# Altium PCB 掌控拓展板Ⅰ V1.1.PcbDoc (part 2 of 2)
Units mm, origin at the board's own origin, x right, y up, seen from the top; angles counter-clockwise.
Board outline 51.8 x 47.39 mm, 2 copper layers (Top Layer, Bottom Layer); 91 components, 63 nets, 281 pads, 117 vias.
Unrouted connection lines stored in the file: 1.
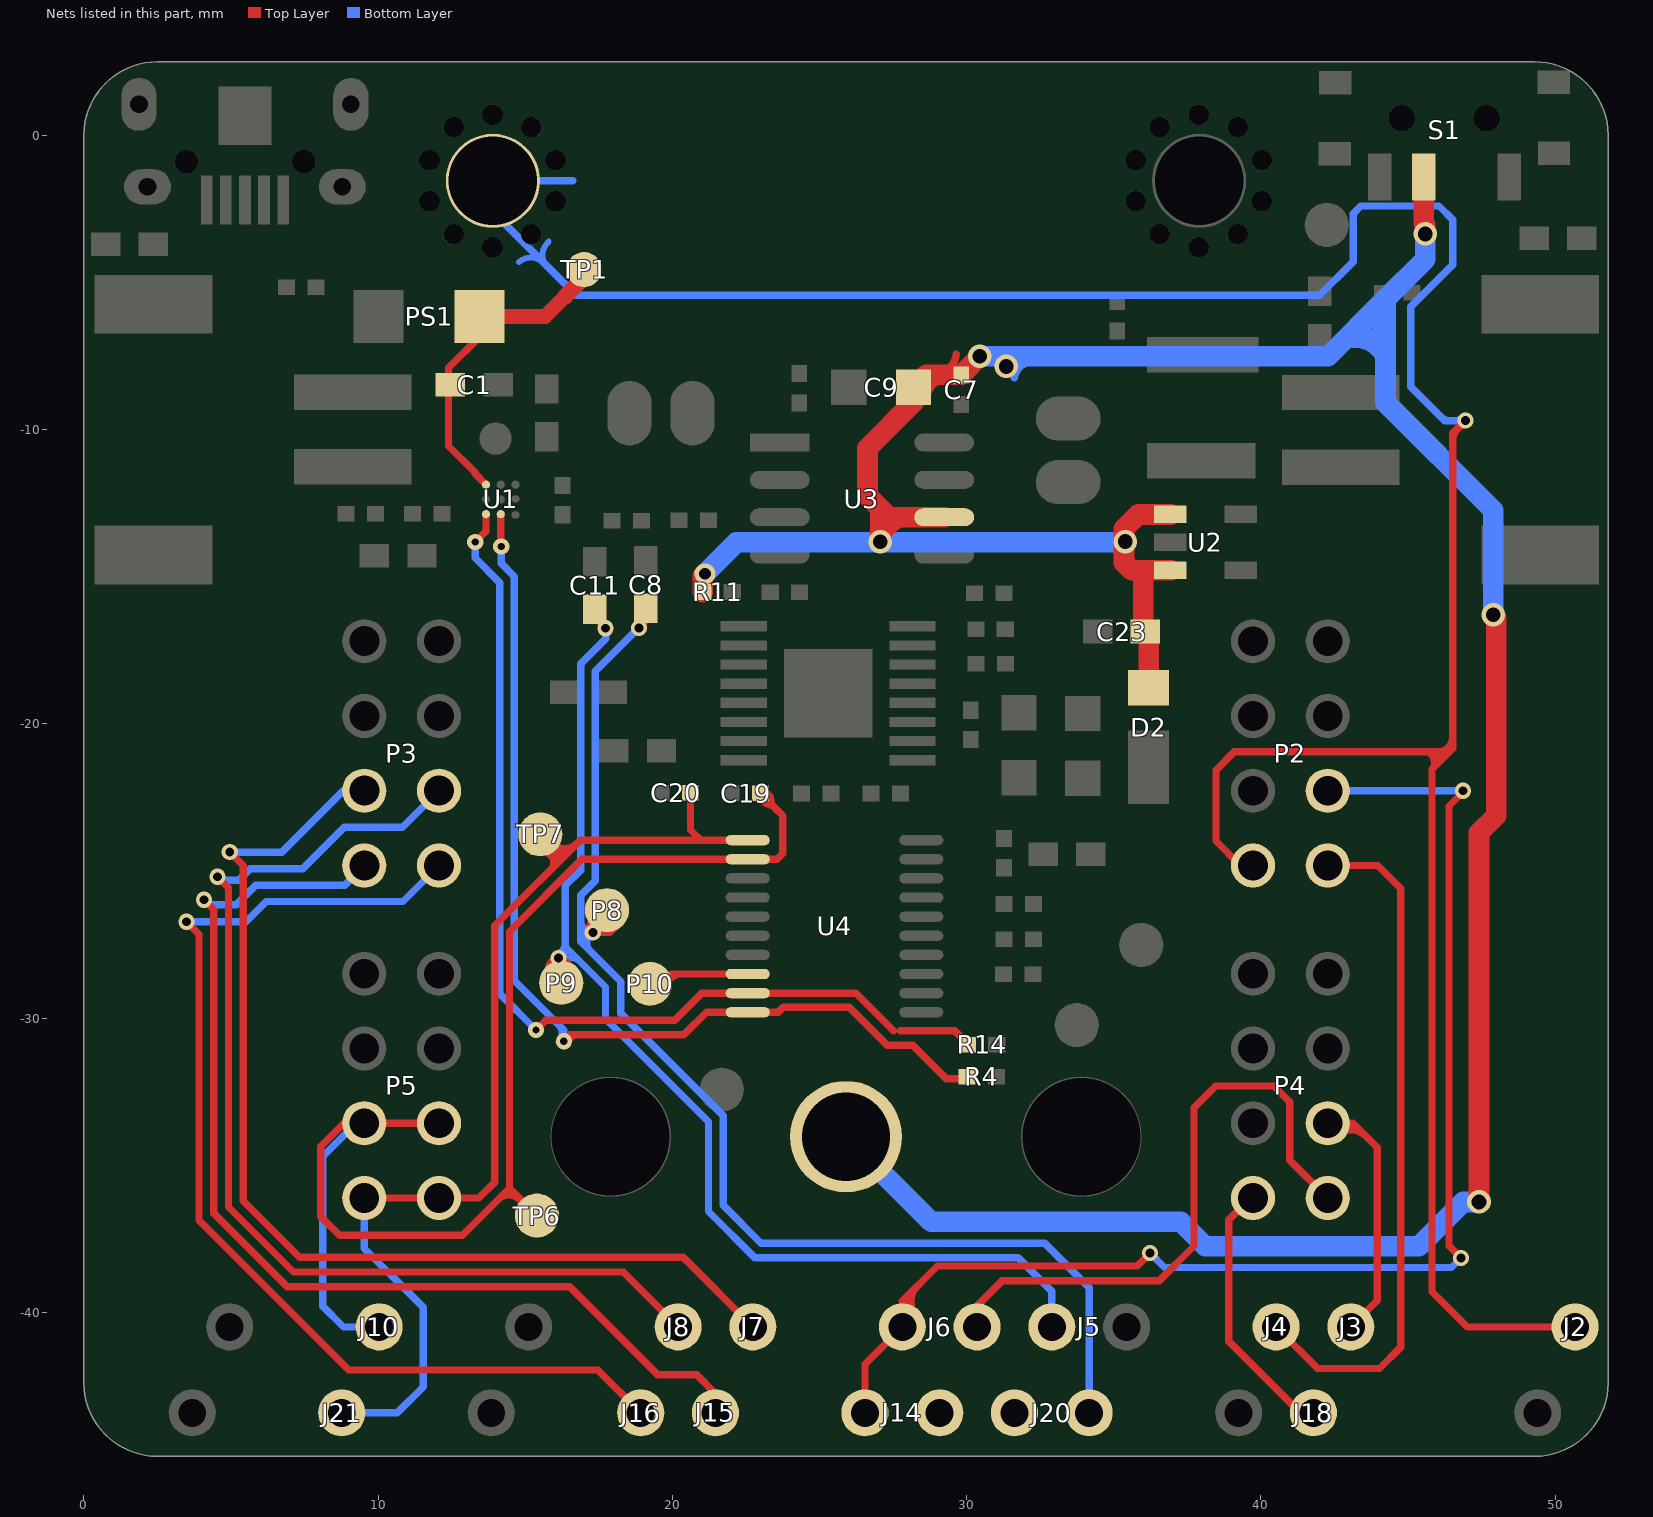
[diagram p2: the nets of this part, all layers, seen from the top]

## Via types
v1: diameter 0.55, hole 0.3, Top Layer to Bottom Layer, 71 vias
v2: diameter 0.55, hole 0.25, Top Layer to Bottom Layer, 16 vias
v3: diameter 0.6, hole 0.3, Top Layer to Bottom Layer, 15 vias
v4: diameter 0.8, hole 0.5, Top Layer to Bottom Layer, 11 vias
v5: diameter 0.7, hole 0.4, Top Layer to Bottom Layer, 3 vias
v6: diameter 0.65, hole 0.35, Top Layer to Bottom Layer, 1 vias

## Nets (pads, with @x,y where several pads share a name; then routed paths per layer and width w, separated by ;. In a path a pad name is that pad's centre, name@x,y a point inside that pad or via, vN(x,y) a via of type N, cw(c..) or ccw(c..) an arc to the next point about the centre after c; other vN are vias at no path point) (continued)
P2: J6.2 J14.2 P2.4 | length 47.1
  Top Layer w0.2: 28.094,-39.347 ccw(c28.442,-39.633) J6.2@28.156,-39.981 ; J6.2@28.347,-40.165 cw(c28.902,-39.628) 28.365,-39.073
  Top Layer w0.25: J14.2@26.544,-43.412 26.544,-41.762 J6.2@27.814,-40.492 27.814,-39.616 29.011,-38.419 35.799,-38.419 v1(36.236,-37.982) ; v1(46.801,-38.144) 46.392,-37.735 46.392,-22.787 46.866,-22.312 v1(46.866,-22.27)
  Bottom Layer w0.25: v1(36.236,-37.982) 36.724,-38.47 46.475,-38.47 v1(46.801,-38.144) ; P2.4@42.27,-22.27 v1(46.866,-22.27)
P3: ?.0@13.9,-1.544 J2.1 P2.1 | length 100.3
  Top Layer w0.2: 45.659,-20.947 cw(c45.442,-21.319) 45.814,-21.536 ; 45.926,-20.993 cw(c45.802,-21.221) 46.029,-21.345 ; 46.022,-20.947 ccw(c45.973,-20.429) 46.491,-20.38 ; 46.532,-10.535 cw(c47.185,-10.442) v1@47.092,-9.789
  Top Layer w0.25: P2.1@39.73,-24.81 39.302,-24.81 38.473,-23.981 38.473,-21.571 39.095,-20.949 46.401,-20.949 ; v1(46.953,-9.693) 46.941,-9.693 46.519,-10.115 46.519,-20.831 46.401,-20.949 ; J2.1@50.674,-40.492 47.013,-40.492 45.814,-39.293 45.814,-21.536 46.401,-20.949
  Bottom Layer w0.2: 14.79,-4.298 cw(c15.193,-4.795) 15.691,-4.393 ; 15.729,-4.457 cw(c16.187,-4.07) 15.8,-3.612 ; 46.1,-9.525 ccw(c46.497,-9.116) v1@46.907,-9.512
  Bottom Layer w0.25: ?.0@13.9,-1.544 16.62,-1.544 ; ?.0@14.35,-3.048 16.737,-5.435 41.991,-5.435 43.135,-4.291 43.135,-2.658 43.395,-2.399 46.05,-2.399 46.519,-2.868 46.519,-4.401 45.096,-5.824 45.096,-8.547 46.242,-9.693 v1(46.953,-9.693)
P4: 
P5: J3.2 P4.4 | length 10.1
  Top Layer w0.2: P4.4@42.593,-34.035 cw(c43.058,-34.409) 43.432,-33.944 ; P4.4@42.678,-33.873 cw(c43.048,-34.13) 43.305,-33.76
  Top Layer w0.25: P4.4@42.27,-33.57 43.128,-33.57 43.953,-34.395 43.953,-39.593 J3.2@43.054,-40.492
P6: J18.2 P4.1 | length 9.2
  Top Layer w0.25: P4.1@39.73,-36.11 39.637,-36.11 38.904,-36.843 38.904,-40.978 41.337,-43.412 J18.2@41.784,-43.412
P7: J4.1 P2.2 | length 23.5
  Top Layer w0.25: J4.1@40.514,-40.492 41.928,-41.905 44.029,-41.905 44.752,-41.182 44.752,-25.592 43.97,-24.81 P2.2@42.27,-24.81
P8: C8.2 J20.1 P8.1 | length 45.2
  Top Layer w0.2: v1@17.212,-27.106 cw(c17.549,-26.924) P8.1@17.366,-26.587 ; v1@17.311,-27.037 cw(c17.764,-27.102) P8.1@17.83,-26.649
  Top Layer w0.25: v1(17.297,-27.086) 17.875,-27.086 P8.1@18.19,-26.771 ; v1(18.861,-16.735) 19.094,-16.502 C8.2@19.094,-16.074
  Bottom Layer w0.2: 16.896,-26.585 ccw(c17.347,-26.635) v1(17.297,-27.086) ccw(c17.523,-27.431) 17.177,-27.657
  Bottom Layer w0.25: 16.923,-27.426 18.251,-28.754 18.251,-29.836 21.729,-33.314 21.729,-36.362 23.01,-37.643 32.651,-37.643 34.165,-39.157 J20.1@34.165,-43.412 ; v1(17.297,-27.086) 17.187,-27.086 16.885,-27.388 16.885,-25.82 17.381,-25.324 17.381,-18.215 v1(18.861,-16.735)
P9: C11.2 J5.2 P9.1 | length 41.9
  Top Layer w0.2: P9.1@15.792,-28.484 cw(c16.15,-28.34) v1@16.006,-27.983 ; P9.1@16.046,-28.499 cw(c16.407,-28.296) v1@16.205,-27.935 ; v1@16.301,-27.978 cw(c16.114,-28.364) P9.1@16.5,-28.551
  Top Layer w0.25: v1(16.135,-27.958) 16.363,-28.186 P9.1@16.363,-28.915 ; C11.2@17.363,-16.105 17.363,-16.383 v1(17.731,-16.751)
  Bottom Layer w0.2: v1@16.025,-27.819 ccw(c15.967,-27.454) 16.332,-27.396 ; v1@16.215,-28.09 cw(c16.536,-28.386) 16.832,-28.065
  Bottom Layer w0.25: v1(16.135,-27.958) 16.163,-27.958 16.455,-27.666 ; v1(17.731,-16.751) 17.731,-17.103 16.881,-17.953 16.881,-24.969 16.358,-25.493 16.358,-27.568 16.455,-27.666 ; J5.2@32.894,-40.492 32.894,-39.282 31.755,-38.143 22.802,-38.143 21.229,-36.569 21.229,-33.521 17.729,-30.021 17.729,-28.94 16.455,-27.666
P10: J20.2
P11: J6.1 P4.2 | length 21.2
  Top Layer w0.25: J6.1@30.354,-40.492 30.354,-39.774 31.209,-38.919 36.548,-38.919 37.725,-37.743 37.725,-33.038 38.46,-32.302 40.439,-32.302 40.985,-32.848 40.985,-34.825 P4.2@42.27,-36.11
P12: J14.1
P13: J7.2 P3.3 | length 36.6
  Top Layer w0.25: v1(4.956,-24.351) 5.416,-24.811 5.416,-36.209 7.331,-38.125 20.367,-38.125 J7.2@22.734,-40.492
  Bottom Layer w0.25: v1(4.956,-24.351) 4.966,-24.361 6.722,-24.361 8.815,-22.269 P3.3@9.531,-22.269
P14: J15.2 P3.1 | length 37.1
  Top Layer w0.25: v1(4.084,-25.972) 4.416,-26.304 4.416,-36.623 6.917,-39.125 16.513,-39.125 19.509,-42.12 20.828,-42.12 21.464,-42.757 J15.2@21.464,-43.412
  Bottom Layer w0.25: v1(4.084,-25.972) 4.255,-26.144 5.175,-26.144 5.841,-25.478 8.862,-25.478 P3.1@9.531,-24.809
P15: J8.1 P3.4 | length 37.2
  Top Layer w0.25: v1(4.547,-25.192) 4.916,-25.561 4.916,-36.416 7.124,-38.625 18.327,-38.625 J8.1@20.194,-40.492
  Bottom Layer w0.25: v1(4.547,-25.192) 4.661,-25.306 5.27,-25.306 5.657,-24.919 7.445,-24.919 8.853,-23.511 10.829,-23.511 P3.4@12.071,-22.269
P16: J16.1 P3.2 | length 37.9
  Top Layer w0.25: v1(3.488,-26.721) 3.916,-27.149 3.916,-36.866 9.005,-41.955 17.468,-41.955 J16.1@18.925,-43.412
  Bottom Layer w0.25: v1(3.488,-26.721) 5.511,-26.721 6.196,-26.036 10.844,-26.036 P3.2@12.071,-24.809 P3.2@12.071,-25.291
SCL: C19.2 J10.1 P5.3 P5.4 TP6.1 U4.12 | length 49.3
  Top Layer w0.175: C19.2@22.99,-22.351 ccw(c23.388,-22.396) 23.343,-22.794 ; C19.2@23.089,-22.25 cw(c22.97,-22.661) 23.381,-22.779
  Top Layer w0.2: 14.182,-36.108 cw(c14.442,-36.501) TP6.1@14.835,-36.241
  Top Layer w0.25: P5.4@11.612,-34.027 P5.4@12.07,-33.57 P5.3@9.53,-33.57 8.842,-33.57 8.054,-34.357 8.054,-36.742 8.689,-37.376 12.866,-37.376 14.466,-35.777 14.466,-27.058 16.925,-24.598 22.019,-24.598 U4.12@23.135,-24.598 ; 14.466,-35.777 TP6.1@15.396,-36.707 ; U4.12@22.56,-24.598 23.556,-24.598 23.752,-24.402 23.752,-23.113 23.535,-22.896 C19.2@22.99,-22.351
  Bottom Layer w0.25: P5.3@9.53,-33.57 9.248,-33.57 8.118,-34.7 8.118,-39.786 8.823,-40.492 J10.1@10.034,-40.492
SCL1: R4.1 U1.C2 U4.20 | length 35.7
  Top Layer w0.2: v2@16.462,-30.855 cw(c16.79,-30.913) 16.847,-30.585
  Top Layer w0.25: v2@14.168,-13.957 U1.C2@14.168,-12.872 ; v2(16.314,-30.781) 16.529,-30.567 20.392,-30.567 21.161,-29.798 22.019,-29.798 U4.20@23.04,-29.798 ; U4.20@22.56,-29.798 23.596,-29.798 23.764,-29.631 26.007,-29.631 27.299,-30.923 27.531,-30.923 28.174,-30.923 29.309,-32.058 R4.1@30.107,-32.058
  Bottom Layer w0.2: 16.083,-30.203 cw(c15.801,-30.537) v2@16.136,-30.82
  Bottom Layer w0.25: v2(14.182,-13.971) 14.182,-14.539 14.632,-14.989 14.632,-28.72 16.314,-30.402 v2(16.314,-30.781)
SDA: C20.2 J21.1 P5.1 P5.2 TP7.1 U4.11 | length 38.4
  Top Layer w0.2: TP7.1@15.743,-24.403 cw(c15.594,-24.727) 15.918,-24.876 ; TP7.1@15.845,-24.27 cw(c15.689,-24.614) 16.032,-24.771 ; TP7.1@15.95,-24.017 ccw(c16.353,-23.698) 16.672,-24.101 ; TP7.1@15.969,-24.143 ccw(c16.312,-23.951) 16.504,-24.295
  Top Layer w0.25: P5.1@9.53,-36.11 P5.2@12.07,-36.11 13.426,-36.11 13.966,-35.57 13.966,-26.851 16.868,-23.948 20.96,-23.948 ; TP7.1@15.513,-23.752 16.282,-24.522 ; C20.2@20.618,-22.338 20.618,-23.606 20.96,-23.948 ; U4.11@22.019,-23.948 20.96,-23.948
  Bottom Layer w0.25: J21.1@8.765,-43.412 10.652,-43.412 11.53,-42.534 11.53,-39.824 9.53,-37.824 P5.1@9.53,-36.11
SDA1: R14.1 U1.C1 U4.19 | length 33.8
  Top Layer w0.25: v2(13.299,-13.816) 13.668,-13.447 U1.C1@13.668,-12.872 ; v2(15.368,-30.402) 15.703,-30.067 20.079,-30.067 20.998,-29.148 22.019,-29.148 U4.19@22.036,-29.131 ; U4.19@22.56,-29.148 26.238,-29.148 27.513,-30.423 ; 27.738,-30.423 29.595,-30.423 R14.1@30.107,-30.935
  Bottom Layer w0.25: v2(13.299,-13.816) 13.299,-14.363 14.132,-15.197 14.132,-29.167 v2(15.368,-30.402)
SWIM: P10.1 U4.18 | length 4.3
  Top Layer w0.2: P10.1@19.747,-29.112 cw(c20.349,-29.114) 20.351,-28.512
  Top Layer w0.25: P10.1@19.04,-29.41 19.952,-28.498 U4.18@22.019,-28.498
VBUS: C1.1 PS1.2 TP1.1 U1.A1 | length 10.8
  Top Layer w0.25: PS1.2@13.449,-6.152 13.449,-6.843 12.392,-7.9 12.392,-10.553 13.297,-11.458 13.297,-11.5 U1.A1@13.668,-11.872
  Top Layer w0.5: PS1.2@13.449,-6.152 15.678,-6.152 16.364,-5.466
  Top Layer w0.55: 16.364,-5.466 TP1.1@16.988,-4.841
VCC: C7.1 C9.1 C23.1 D2.A pad.M3 R11.1 S1.3 U2.1 U2.3 U3.6 | length 119.4
  Top Layer w0.25: v4@27.288,-13.916 cw(c28.003,-13.89) 27.977,-13.175 ; C9.1@28.651,-8.998 cw(c29.304,-8.951) 29.257,-8.298 ; 29.003,-8.039 ccw(c29.019,-7.417) 29.641,-7.432
  Top Layer w0.7: R11.1@21.035,-15.517 21.035,-14.97 v5(21.11,-14.895) ; v4(27.065,-13.812) 27.065,-12.682 ; C9.1@27.982,-8.309 C9.1@28.045,-8.309 ; U3.6@29.237,-12.975 27.358,-12.975 27.065,-12.682 ; v4(30.444,-7.51) 29.822,-8.132 28.621,-8.132 C9.1@28.196,-8.557 28.196,-9.064 26.63,-10.63 26.63,-12.247 27.065,-12.682 ; 36.002,-14.936 36.002,-16.86 36.183,-17.041 D2.A@36.183,-18.771 ; U2.3@36.945,-14.783 35.613,-14.783 35.347,-14.517 35.347,-13.367 35.83,-12.883 U2.1@36.945,-12.883 ; S1.3@45.532,-1.419 45.532,-2.989 v4@45.581,-3.038 ; v4(47.411,-36.244) 47.411,-23.698 47.993,-23.116 47.993,-16.384 v4(47.894,-16.285)
  Bottom Layer w0.2: 42.691,-7.259 cw(c43.185,-8.069) 43.995,-7.575 ; 43.048,-7.07 cw(c43.395,-7.683) 44.009,-7.336 ; 43.069,-6.909 cw(c43.427,-7.463) 43.981,-7.105 ; 43.35,-6.67 cw(c43.543,-7.144) 44.016,-6.951 ; 43.631,-6.439 cw(c43.645,-6.825) 44.031,-6.811
  Bottom Layer w0.25: 31.62,-8.246 cw(c32.276,-8.342) 32.372,-7.687
  Bottom Layer w0.7: v5(21.11,-14.895) 22.179,-13.826 v4@35.33,-13.826 ; pad.M3@25.9,-34.027 28.79,-36.918 37.277,-36.918 38.104,-37.745 45.37,-37.745 46.871,-36.244 v4(47.411,-36.244) ; v4(30.444,-7.51) 42.285,-7.51 44.234,-5.562 ; v4(45.581,-3.35) 45.581,-4.214 44.234,-5.562 ; v4(47.894,-16.285) 47.894,-12.736 44.234,-9.076 44.234,-5.562
  other v4: 35.388,-13.802 31.346,-7.852
pads on no net: "P1. " ?.12 ?.13 ?.14 ?.15 ?.16 ?.18 ?.19 ?.20 ?.22 ?.24 B1. B2. P1.2 P1.3 P1.4 S1.0 S1.1 U4.3 U4.5 U4.6 U4.10 U4.15 U5.8
copper on no net: | length 5.5
  Top Layer w0.2: 19.212,-25.401 ccw(c19.57,-25.662) 19.309,-26.02
  Top Layer w0.25: 27.513,-30.423 27.738,-30.423 ; 28.46,-29.798 29.524,-29.798 ; 28.46,-27.848 29.675,-27.848 ; 28.46,-25.248 29.411,-25.248 ; 28.46,-24.598 29.75,-24.598
  Top Layer w0.28: 40.235,-9.897 40.29,-9.952

## Polygon pours and split planes (outlines as drawn)
AU_GND on Top Layer "Bottom Layer-No Net" (solid, remove dead copper, pour order 0): 33.305,-14.631 22.794,-14.631 22.463,-14.299 21.965,-13.802 21.965,-9.801 21.965,-8.827 23.219,-6.38 24.411,-6.38 35.212,-6.38 35.399,-6.38 35.585,-6.567 35.647,-6.629 35.647,-10.195 35.647,-12.589 33.657,-14.579 33.61,-14.626 33.32,-14.626
GND on Top Layer "Bottom Layer-No Net" (solid, remove dead copper, pour order 6): 0.283,2.772 0.564,3.053 52.216,3.053 52.216,-43.359 50.532,-45.044 50.158,-45.418 -0.372,-45.418 -0.372,2.258 0.377,3.006
AU_GND on Bottom Layer "Bottom Layer-No Net" (solid, remove dead copper, pour order 2): 33.719,-14.362 23.188,-14.362 22.836,-14.009 22.09,-13.263 22.09,-9.366 22.09,-8.619 23.24,-6.401 23.733,-6.401 24.308,-6.401 35.523,-6.401 35.523,-12.6 33.782,-14.341
GND on Bottom Layer "Bottom Layer-No Net" (solid, remove dead copper, pour order 4): 0.564,3.427 0.938,3.801 51.467,3.801 51.467,3.427 51.888,3.006 52.076,2.819 52.076,1.275 52.076,-43.687 50.812,-44.95 49.97,-45.792 -0.372,-45.792 -0.372,2.515 0.529,3.415

## Keep-outs
Keep-Out Layer:
  lines w0.013: -0.028,0 0,0 ; 2.5,2.519 2.5,2.5 ; 49.3,-44.888 49.25,-44.888 2.55,-44.888 2.5,-44.888 ; 151.549,31.319 147.549,31.319 147.549,-67.463 151.549,-67.463 151.549,-63.961 ; 151.549,-23.573 151.549,-12.571 ; 151.549,27.817 151.549,31.319 ; 153.549,-64.958 ccw(c156.056,-64.951) 156.049,-67.459 156.099,-67.459 202.799,-67.459 ; 153.549,-22.571 cw(c156.056,-22.578) 156.049,-20.071 ; 156.049,-67.458 cw(c156.056,-64.951) 153.549,-64.958 ; 156.099,-67.458 202.799,-67.458 ; 156.099,-20.071 202.799,-20.071 ; 202.849,-20.071 cw(c202.842,-22.578) 205.349,-22.571 ; 209.349,-64.953 ccw(c211.856,-64.946) 211.849,-67.453 211.899,-67.453 258.599,-67.453 258.649,-67.453 ccw(c258.642,-64.946) 261.149,-64.954 ; 209.349,-22.565 cw(c211.856,-22.573) 211.849,-20.066 ; 211.835,-16.063 211.899,-16.063 ; 211.849,-67.453 cw(c211.856,-64.946) 209.349,-64.953 ; 211.899,-67.453 258.599,-67.453 ; 211.899,-20.065 258.599,-20.065 ; 258.649,-20.065 cw(c258.642,-22.573) 261.149,-22.565 ; 263.149,-63.951 263.149,-67.453 267.15,-67.453 ; 263.149,-23.563 263.149,-12.561 ; 263.149,27.827 263.149,31.329 267.149,31.329 267.149,-67.453 ; 0,-42.388 ccw(c2.507,-42.381) 2.5,-44.888 ; 0,-42.388 ccw(c2.507,-42.381) 2.5,-44.888 ; 0,-42.388 0,0 ; 0,-42.388 0,0 ; 0,0 cw(c2.507,-0.007) 2.5,2.5 ; 0,0 cw(c2.507,-0.007) 2.5,2.5 ; 2.5,2.5 2.55,2.5 ; 2.5,2.5 2.55,2.5 ; 2.55,2.5 49.25,2.5 ; 2.55,2.5 49.25,2.5 ; 49.25,2.5 49.3,2.5 ; 49.25,2.5 49.3,2.5 ; 49.3,2.5 cw(c49.293,-0.007) 51.8,0 ; 49.3,2.5 cw(c49.293,-0.007) 51.8,0 ; 51.8,-42.388 cw(c49.293,-42.38) 49.3,-44.888 ccw(c49.293,-42.38) 51.8,-42.388 ; 51.8,-42.388 51.8,0 ; 51.8,-42.388 51.8,0 ; 153.549,-64.958 153.549,-22.571 ; 153.549,-64.958 153.549,-22.571 ; 153.549,-64.958 153.549,-22.571 ; 153.549,-22.571 cw(c156.056,-22.578) 156.049,-20.071 ; 153.549,28.819 cw(c156.056,28.812) 156.049,31.319 ; 153.549,28.819 cw(c156.056,28.812) 156.049,31.319 ; 153.549,28.819 cw(c156.056,28.812) 156.049,31.319 ; 153.549,28.819 153.549,-13.568 153.549,28.819 ; 156.049,-20.071 156.099,-20.071 202.799,-20.071 202.849,-20.071 cw(c202.842,-22.578) 205.349,-22.571 ; 156.049,-16.069 cw(c156.056,-13.561) 153.549,-13.569 ccw(c156.056,-13.561) 156.049,-16.069 ; 156.049,-16.069 156.099,-16.069 ; 156.049,31.319 156.099,31.319 ; 156.099,-16.069 202.799,-16.069 ; 156.099,-16.069 202.799,-16.069 ; 156.099,31.319 202.799,31.319 ; 156.099,31.319 202.799,31.319 ; 202.799,-16.068 202.849,-16.068 ; 202.799,31.319 202.849,31.319 ; 202.849,-67.458 ccw(c202.842,-64.951) 205.349,-64.958 ; 202.849,-67.458 ccw(c202.842,-64.951) 205.349,-64.958 ; 202.849,-67.458 ccw(c202.842,-64.951) 205.349,-64.958 ; 202.849,-16.068 ccw(c202.842,-13.561) 205.349,-13.568 ; 202.849,-16.068 ccw(c202.842,-13.561) 205.349,-13.568 ; 202.849,31.319 cw(c202.842,28.812) 205.349,28.819 ; 202.849,31.319 cw(c202.842,28.812) 205.349,28.819 ; 205.349,-64.958 205.349,-22.571 ; 205.349,-64.958 205.349,-22.571 ; 205.349,-13.569 205.349,28.819 ; 205.349,-13.569 205.349,28.819 ; 205.349,-13.568 205.349,28.819 ; 209.349,-64.953 209.349,-22.565 ; 209.349,-64.953 209.349,-22.565 ; 209.349,-64.953 209.349,-22.565 ; 209.349,-22.565 cw(c211.856,-22.573) 211.849,-20.066 ; 209.349,28.825 cw(c211.856,28.817) 211.849,31.324 ; 209.349,28.825 cw(c211.856,28.817) 211.849,31.324 ; 209.349,28.825 cw(c211.856,28.817) 211.849,31.324 ; 209.349,28.825 209.349,-13.563 209.349,28.825 ; 211.849,-20.066 211.899,-20.066 258.599,-20.066 258.649,-20.066 cw(c258.642,-22.573) 261.149,-22.565 ; 211.899,-16.063 258.599,-16.063 ; 211.899,-16.063 258.599,-16.063 ; 258.599,-16.063 258.649,-16.063 ; 258.599,31.324 211.899,31.324 258.599,31.324 ; 258.599,31.324 258.649,31.324 ; 258.649,-16.063 ccw(c258.642,-13.556) 261.149,-13.563 ; 258.649,-16.063 ccw(c258.642,-13.556) 261.149,-13.563 ; 258.649,31.324 cw(c258.642,28.817) 261.149,28.825 ; 258.649,31.324 cw(c258.642,28.817) 261.149,28.825 ; 261.149,-64.953 cw(c258.642,-64.946) 258.649,-67.453 ccw(c258.642,-64.946) 261.149,-64.953 ; 261.149,-64.953 261.149,-22.565 ; 261.149,-64.953 261.149,-22.565 ; 261.149,-13.563 261.149,28.825 ; 261.149,-13.563 261.149,28.825 ; 261.149,-13.563 261.149,28.825 ; 19.764,-1.545 ccw(c20.864,-1.545) 20.864,-2.645 ccw(c20.864,-1.545) 21.964,-1.545 ccw(c20.864,-1.545) 20.864,-0.445 ccw(c20.864,-1.545) 19.764,-1.545 ; 24.973,-1.545 ccw(c26.073,-1.545) 26.073,-2.645 ccw(c26.073,-1.545) 27.173,-1.545 ccw(c26.073,-1.545) 26.073,-0.445 ccw(c26.073,-1.545) 24.973,-1.545 ; 30.181,-1.545 ccw(c31.281,-1.545) 31.281,-2.645 ccw(c31.281,-1.545) 32.381,-1.545 ccw(c31.281,-1.545) 31.281,-0.445 ccw(c31.281,-1.545) 30.181,-1.545 ; 209.349,-13.563 ccw(c211.856,-13.556) 211.849,-16.063 cw(c211.856,-13.556) 209.349,-13.563
  lines w0.05: 151.549,-58.961 cw(c152.549,-58.961) 153.549,-58.958 ; 151.549,-28.573 ccw(c152.549,-28.57) 153.549,-28.57 ; 151.549,-7.571 cw(c152.549,-7.571) 153.549,-7.568 ; 151.549,22.817 ccw(c152.549,22.82) 153.549,22.82 ; 205.35,-58.958 cw(c207.35,-58.958) 209.35,-58.953 ; 205.349,-28.57 ccw(c207.349,-28.565) 209.349,-28.565 ; 205.349,-7.568 cw(c207.349,-7.568) 209.349,-7.563 ; 205.349,22.82 ccw(c207.349,22.825) 209.349,22.825 ; 261.149,-58.954 cw(c262.149,-58.954) 263.149,-58.951 ; 261.149,-28.566 ccw(c262.149,-28.563) 263.149,-28.563 ; 261.149,-7.564 cw(c262.149,-7.564) 263.149,-7.561 ; 261.149,22.824 ccw(c262.149,22.827) 263.149,22.827

## Other copper
Top Layer:
  region net 3V3: 31.376,-30.677 30.758,-30.677 30.758,-32.209 31.376,-32.209
  region net AU_GND: 30.999,-11.511 27.754,-11.511 27.754,-11.993 30.999,-11.993
  region net AU_GND: 35.336,-6.557 34.466,-6.557 34.466,-7.355 35.336,-7.355
  region net 3V3: 39.953,-5.768 36.788,-5.768 36.788,-8.293 39.953,-8.293
  region net VCC: 45.989,-1.575 45.082,-1.575 45.082,-3.446 45.989,-3.446
  region net NetS1_2: 44.484,-1.477 43.555,-1.477 43.555,-3.432 44.484,-3.432
  region net GND: 41.365,0.817 39.711,0.817 39.711,-0.084 41.365,-0.084
  region net GND: 22.282,-22.043 21.411,-22.043 21.411,-23.185 22.282,-23.185
  region net GND: 22.448,-22.821 21.3,-22.821 21.3,-23.339 22.448,-23.339
  region net GND: 4.175,-1.622 2.669,-1.622 2.669,-2.196 4.175,-2.196
  region net GND: 4.126,-1.795 0.972,-1.795 0.972,-2.388 4.126,-2.388
  region net GND: 32.112,-17.742 31.224,-17.742 31.224,-18.199 32.112,-18.199
  region net GND: 35.099,-23.734 33.865,-23.734 33.865,-24.709 35.099,-24.709
  region net NetS1_2: 44.058,-2.154 42.789,-2.154 42.789,-2.869 44.058,-2.869
  region net NetS1_2: 44.479,-2.932 43.574,-2.932 43.574,-3.872 44.479,-3.872
  region net VCC: 45.959,-2.995 45.096,-2.995 45.096,-3.984 45.959,-3.984
  region net GND: 35.341,-5.018 34.868,-5.018 34.868,-5.825 35.341,-5.825
  region net GND: 35.669,-4.98 35.208,-4.98 35.208,-5.532 35.669,-5.532
  region net GND: 35.314,-0.299 34.086,-0.299 34.086,-0.986 35.314,-0.986
  region net GND: 36.721,-3.729 36.006,-3.729 36.006,-5.069 36.721,-5.069
  region net GND: 38.291,-13.556 36.929,-13.556 36.929,-14.1 38.291,-14.1
  region net GND: 21.079,-7.883 20.343,-7.883 20.343,-10.983 21.079,-10.983
  region net AU_GND: 25.051,-9.018 23.67,-9.018 23.67,-10.398 25.051,-10.398
  region net AU_GND: 25.992,-7.474 25.056,-7.474 25.056,-9.766 25.992,-9.766
  region net AU_GND: 30.747,-8.942 29.291,-8.942 29.291,-9.732 30.747,-9.732
  region net GND: 16.335,-18.03 15.36,-18.03 15.36,-18.922 16.335,-18.922
  region net NetBT1_1: 15.435,-10.298 15.435,-9.935 15.58,-9.79 16.296,-9.79 18.026,-8.06 18.98,-8.06 19.27,-8.349 19.27,-10.588 18.865,-10.993 15.673,-10.993 15.445,-10.765 15.445,-10.319
  region: 29.926,-8.324 29.993,-8.391 31.474,-8.391 31.854,-8.012 31.854,-7.277 31.553,-6.976 29.775,-6.976 29.495,-7.256 29.495,-8.09 29.796,-8.391 30.019,-8.391
  region net NetS1_2: 14.168,-11.729 14.168,-11.727 13.818,-11.377 13.818,-11.014 13.803,-11.014 13.351,-10.562 13.351,-9.573 13.543,-9.381 14.627,-9.381 14.829,-9.583 14.829,-10.376 14.279,-10.925 14.279,-11.584 14.207,-11.656
  region net VBUS: 13.38,-11.599 12.751,-11.599 11.849,-10.697 11.849,-7.78 12.305,-7.324 12.305,-5.209 12.408,-5.105 14.989,-5.105 15.311,-5.427 15.311,-7.023 14.969,-7.365 13.528,-7.365 12.947,-7.946 12.947,-10.666 13.44,-11.159 13.44,-11.573
  region net NetP1_1: 6.811,-1.799 6.635,-1.975 6.635,-2.82 8.853,-5.038 8.853,-7.137 9.164,-7.448 10.802,-7.448 10.822,-7.468 11.113,-7.178 11.113,-4.908 9.174,-2.97 8.413,-2.97 6.899,-1.457 6.707,-1.457
  region net VCC: 35.627,-19.285 36.891,-19.285 37.233,-18.943 37.233,-14.849 36.881,-14.496 36.01,-14.496 35.782,-14.268 35.782,-13.502 36.238,-13.045 36.238,-12.662 36.176,-12.6 35.699,-12.6 34.86,-13.439 34.86,-15.481 35.585,-16.207 35.585,-19.088 35.647,-19.15
  region net NetL1_1: 39.772,-13.149 39.84,-13.081 39.84,-10.438 38.477,-9.075 36.02,-9.075 35.772,-9.324 35.772,-11.847 36.037,-12.112 38.306,-12.112 38.544,-12.351 38.544,-12.952 38.741,-13.149
  region net NetS1_2: 13.989,-10.849 13.989,-11.626 14.131,-11.767 14.168,-11.729 14.168,-10.91 14.058,-10.799 14.007,-10.849
  region net GND: 32.008,-25.931 32.008,-27.696 32.1,-27.789 33.168,-27.789 33.427,-27.53 33.427,-26.542 32.662,-25.777 32.075,-25.777 32.001,-25.851 32.001,-25.987
  region net NetC12_1: 27.823,-19.146 29.169,-19.146 29.464,-18.852 34.149,-18.852 36.477,-21.18 36.477,-22.408 36.225,-22.66 35.39,-22.66 35.018,-22.288 35.018,-21.047 34.009,-20.037 30.979,-20.037 30.65,-19.707 29.681,-19.707 29.296,-19.322 28.573,-19.322
Bottom Layer:
  region net VCC: 31.771,-7.033 29.905,-7.033 29.905,-8.381 31.771,-8.381
  region net GND: 40.47,-0.889 40.47,-1.913 41.741,-1.913 41.741,-0.889

## Silkscreen, mask and mechanical layers (free items; w line width, h text height)
Top Overlay:
  circle w0.25: c23.103,-9.486 r0.367
  rectangle: 62.431,69.956 64.318,71.847
  rectangle: 30.951,61.468 32.765,63.282
  rectangle: 16.731,56.942 18.472,58.678
  lines w0.127: -11.713,23.193 70.952,23.193 ; -11.71,28.668 70.952,28.668 ; -11.709,90.788 70.952,90.762 ; -11.699,56.058 70.952,56.012 ; -11.679,68.658 70.952,68.658 ; -11.679,73.328 70.952,73.328 ; -11.679,77.948 70.952,77.948 ; -11.659,60.458 70.952,60.458 ; -11.639,81.898 70.952,81.898 ; -11.619,64.668 70.952,64.668 ; -11.619,86.008 70.952,86.008 ; 70.952,17.912 70.952,103.512 ; 70.952,17.918 -11.711,17.918 -11.711,103.518 ; 70.952,95.512 -11.711,95.512 -11.711,103.518 ; 70.952,103.518 -11.711,103.518 ; 16.658,56.864 18.55,56.864 18.55,58.756 16.658,58.756 16.658,56.864 ; 16.695,61.386 18.586,61.386 18.586,63.277 16.695,63.277 16.695,61.386 ; 16.728,69.941 18.614,69.941 18.614,71.833 16.728,71.833 16.728,69.941 ; 16.731,56.942 18.472,56.942 18.472,58.678 16.731,58.678 16.731,56.942 ; 16.773,61.464 18.508,61.464 18.508,63.199 16.773,63.199 16.773,61.464 ; 16.801,70.019 18.541,70.019 18.541,71.755 16.801,71.755 16.801,70.019 ; 28.859,69.868 28.859,71.76 30.751,71.76 30.751,69.868 28.859,69.868 ; 28.937,69.946 28.937,71.682 30.673,71.682 30.673,69.946 28.937,69.946 ; 30.882,61.386 30.882,63.277 32.774,63.277 32.774,61.386 30.882,61.386 ; 30.941,56.914 30.941,58.806 32.832,58.806 32.832,56.914 30.941,56.914 ; 30.96,61.464 30.96,63.199 32.696,63.199 32.696,61.464 30.96,61.464 ; 31.019,56.992 31.019,58.728 32.754,58.728 32.754,56.992 31.019,56.992 ; 38.301,69.941 40.192,69.941 40.192,71.833 38.301,71.833 38.301,69.941 ; 38.379,70.019 40.114,70.019 40.114,71.755 38.379,71.755 38.379,70.019 ; 47.565,61.386 49.456,61.386 49.456,63.277 47.565,63.277 47.565,61.386 ; 47.643,61.464 49.383,61.464 49.383,63.199 47.643,63.199 47.643,61.464 ; 47.956,69.89 49.843,69.89 49.843,71.782 47.956,71.782 47.956,69.89 ; 48.029,69.968 49.77,69.968 49.77,71.704 48.029,71.704 48.029,69.968 ; 62.418,69.941 64.31,69.941 64.31,71.833 62.418,71.833 62.418,69.941 ; 62.496,70.019 64.232,70.019 64.232,71.755 62.496,71.755 62.496,70.019
  lines w0.15: 14.752,56.043 14.752,95.512 ; 21.473,-8.002 21.696,-8.002 ; 21.696,-8.002 21.851,-8.158 21.851,-8.381 21.851,-10.547 21.613,-10.786 17.467,-10.786 17.218,-10.537 17.218,-8.207 17.423,-8.002 21.696,-8.002 ; 40.675,-15.533 42.364,-15.533 42.364,-12.309 40.7,-12.309 40.675,-12.335 40.675,-12.361 40.675,-15.533
  lines w0.175: 17.13,-7.296 33.13,-7.296 ; 17.13,-7.295 17.13,2.104 33.13,2.104 33.13,-7.288
  text "PCB加工工艺要求说明" at 9.552,98.112 h5
  text "层数:" at -6.398,92.262 h3
  text "层" at 20.752,92.262 h3
  text "2" at 16.952,92.212 h3
  text "1" at -9.979,91.979 h2
  text "mm" at 22.052,87.712 h3
  text "1.6" at 16.952,87.462 h3
  text "板厚:" at -6.395,87.412 h3
  text "2" at -9.979,87.049 h2
  text "FR4 双面玻纤板" at 16.752,83.162 h3
  text "材料:" at -6.395,83.112 h3
  text "3" at -9.979,82.859 h2
  text "大于35um" at 16.652,79.162 h3
  text "铜箔厚度:" at -6.398,79.112 h3
  text "4" at -9.979,79.012 h2
  text "5" at -9.979,75.039 h2
  text "过孔处理:" at -6.348,74.912 h3
  text "盖油" at 16.452,74.812 h3
  text "表面处理:" at -6.348,70.162 h3
  text "镀镍" at 31.651,70.139 h3
  text "抗氧化" at 19.802,70.071 h3
  text "镀金" at 41.127,70.062 h3
  text "沉金" at 64.852,70.057 h3
  text "无铅喷锡" at 50.467,70.003 h3
  text "6" at -9.979,69.909 h2
  text "沉金厚度:" at -6.348,66.012 h3
  text "金厚>1u\"" at 16.652,65.862 h3
  text "7" at -9.979,65.759 h2
  text "阻焊，字符颜色：" at -6.351,61.862 h3
  text "8" at -9.979,61.769 h2
  text "绿油白字" at 19.552,61.562 h3
  text "亮黑油白字" at 33.252,61.512 h3
  text "红油白字" at 50.352,61.462 h3
  text "符合RoHS标准：" at -6.348,57.562 h3
  text "9" at -9.979,57.539 h2
  text "是" at 19.852,57.012 h3
  text "否" at 34.302,57.012 h3
  text "拼板方式：" at -6.348,53.262 h3
  text "10" at -9.979,53.052 h2
  text "见右图" at 23.852,43.512 h2.52
  text "版本：" at 45.36,25.045 h3
  text "PCB名称：" at -9.307,24.906 h3
  text "把我司料号丝印在工艺板上" at 10.576,20.785 h2.5
  text "其他特殊说明:" at -9.307,19.562 h3
  text "生产日期请丝印在PCB正面指定的位置。" at 8.845,18.446 h2.5
  text "VBUS" at 18.959,-4.66 h0.8 r90
  text "-" at 21.378,-11.778 h1
  text "+" at 17.021,-11.872 h1
  text "电池" at 17.968,-12.217 h1.8
  text "生产日期请丝印再此处（ TOP Overlay层）" at 60.192,-12.848 h3
  text "+" at 30.647,-13.241 h1
  text "喇叭" at 32.247,-14.714 h1.8
  text "SDA" at 14.119,-22.302 h0.8
  text "P8" at 17.379,-25.38 h1
  text "3.3V" at 34.086,-26.377 h0.8
  text "P9" at 14.218,-27.562 h1
  text "SWIM" at 17.766,-30.774 h0.85
  text "NRST" at 34.794,-32.051 h0.8
  text "GND" at 20.347,-34.505 h0.9
  text "SCL" at 14.947,-35.277 h0.8 r90
  text "掌控拓展板Ⅰ" at 18.916,-38.629 h2.5
  text "V1.1" at 33.787,-38.66 h2
  text "下方这两排(0.95MM)插孔要求走正公差+0到0.05MM内" at -4.021,-54.775 h3
Bottom Overlay:
  drawing of 47075 lines, arcs and shapes, not listed
Top Solder:
  lines w0.013: 13.979,-3.043 ccw(c13.9,-1.544) 15.389,-1.728
Bottom Solder:
  drawing of 8650 lines, arcs and shapes, not listed
Mechanical 7:
  lines w0.15: 14.571,-45.254 14.571,-44.336 ; 15.401,-44.336 14.571,-44.336 ; 18.062,-52.506 18.062,-47.827 ; 19.371,-44.669 20.752,-44.669 ; 20.752,-45.529 20.752,-44.669 ; 14.571,-44.336 18.062,-47.827 ; 18.062,-47.827 18.062,-47.359 20.752,-44.669
  lines w0.2: 42.734,-14.936 41.694,-13.895 ; 42.773,-12.817 41.694,-13.895 ; 67.171,-13.895 41.694,-13.895

## Text inside footprints (layer, text, board x,y; h text height)
D1: Top Overlay "+" at 51.28,-2.992 h1
D3: Top Overlay "+" at 0.404,-2.256 h1 r180